# Altium PCB Fri3D_2018_01.PcbDoc (part 1 of 3) (continued)
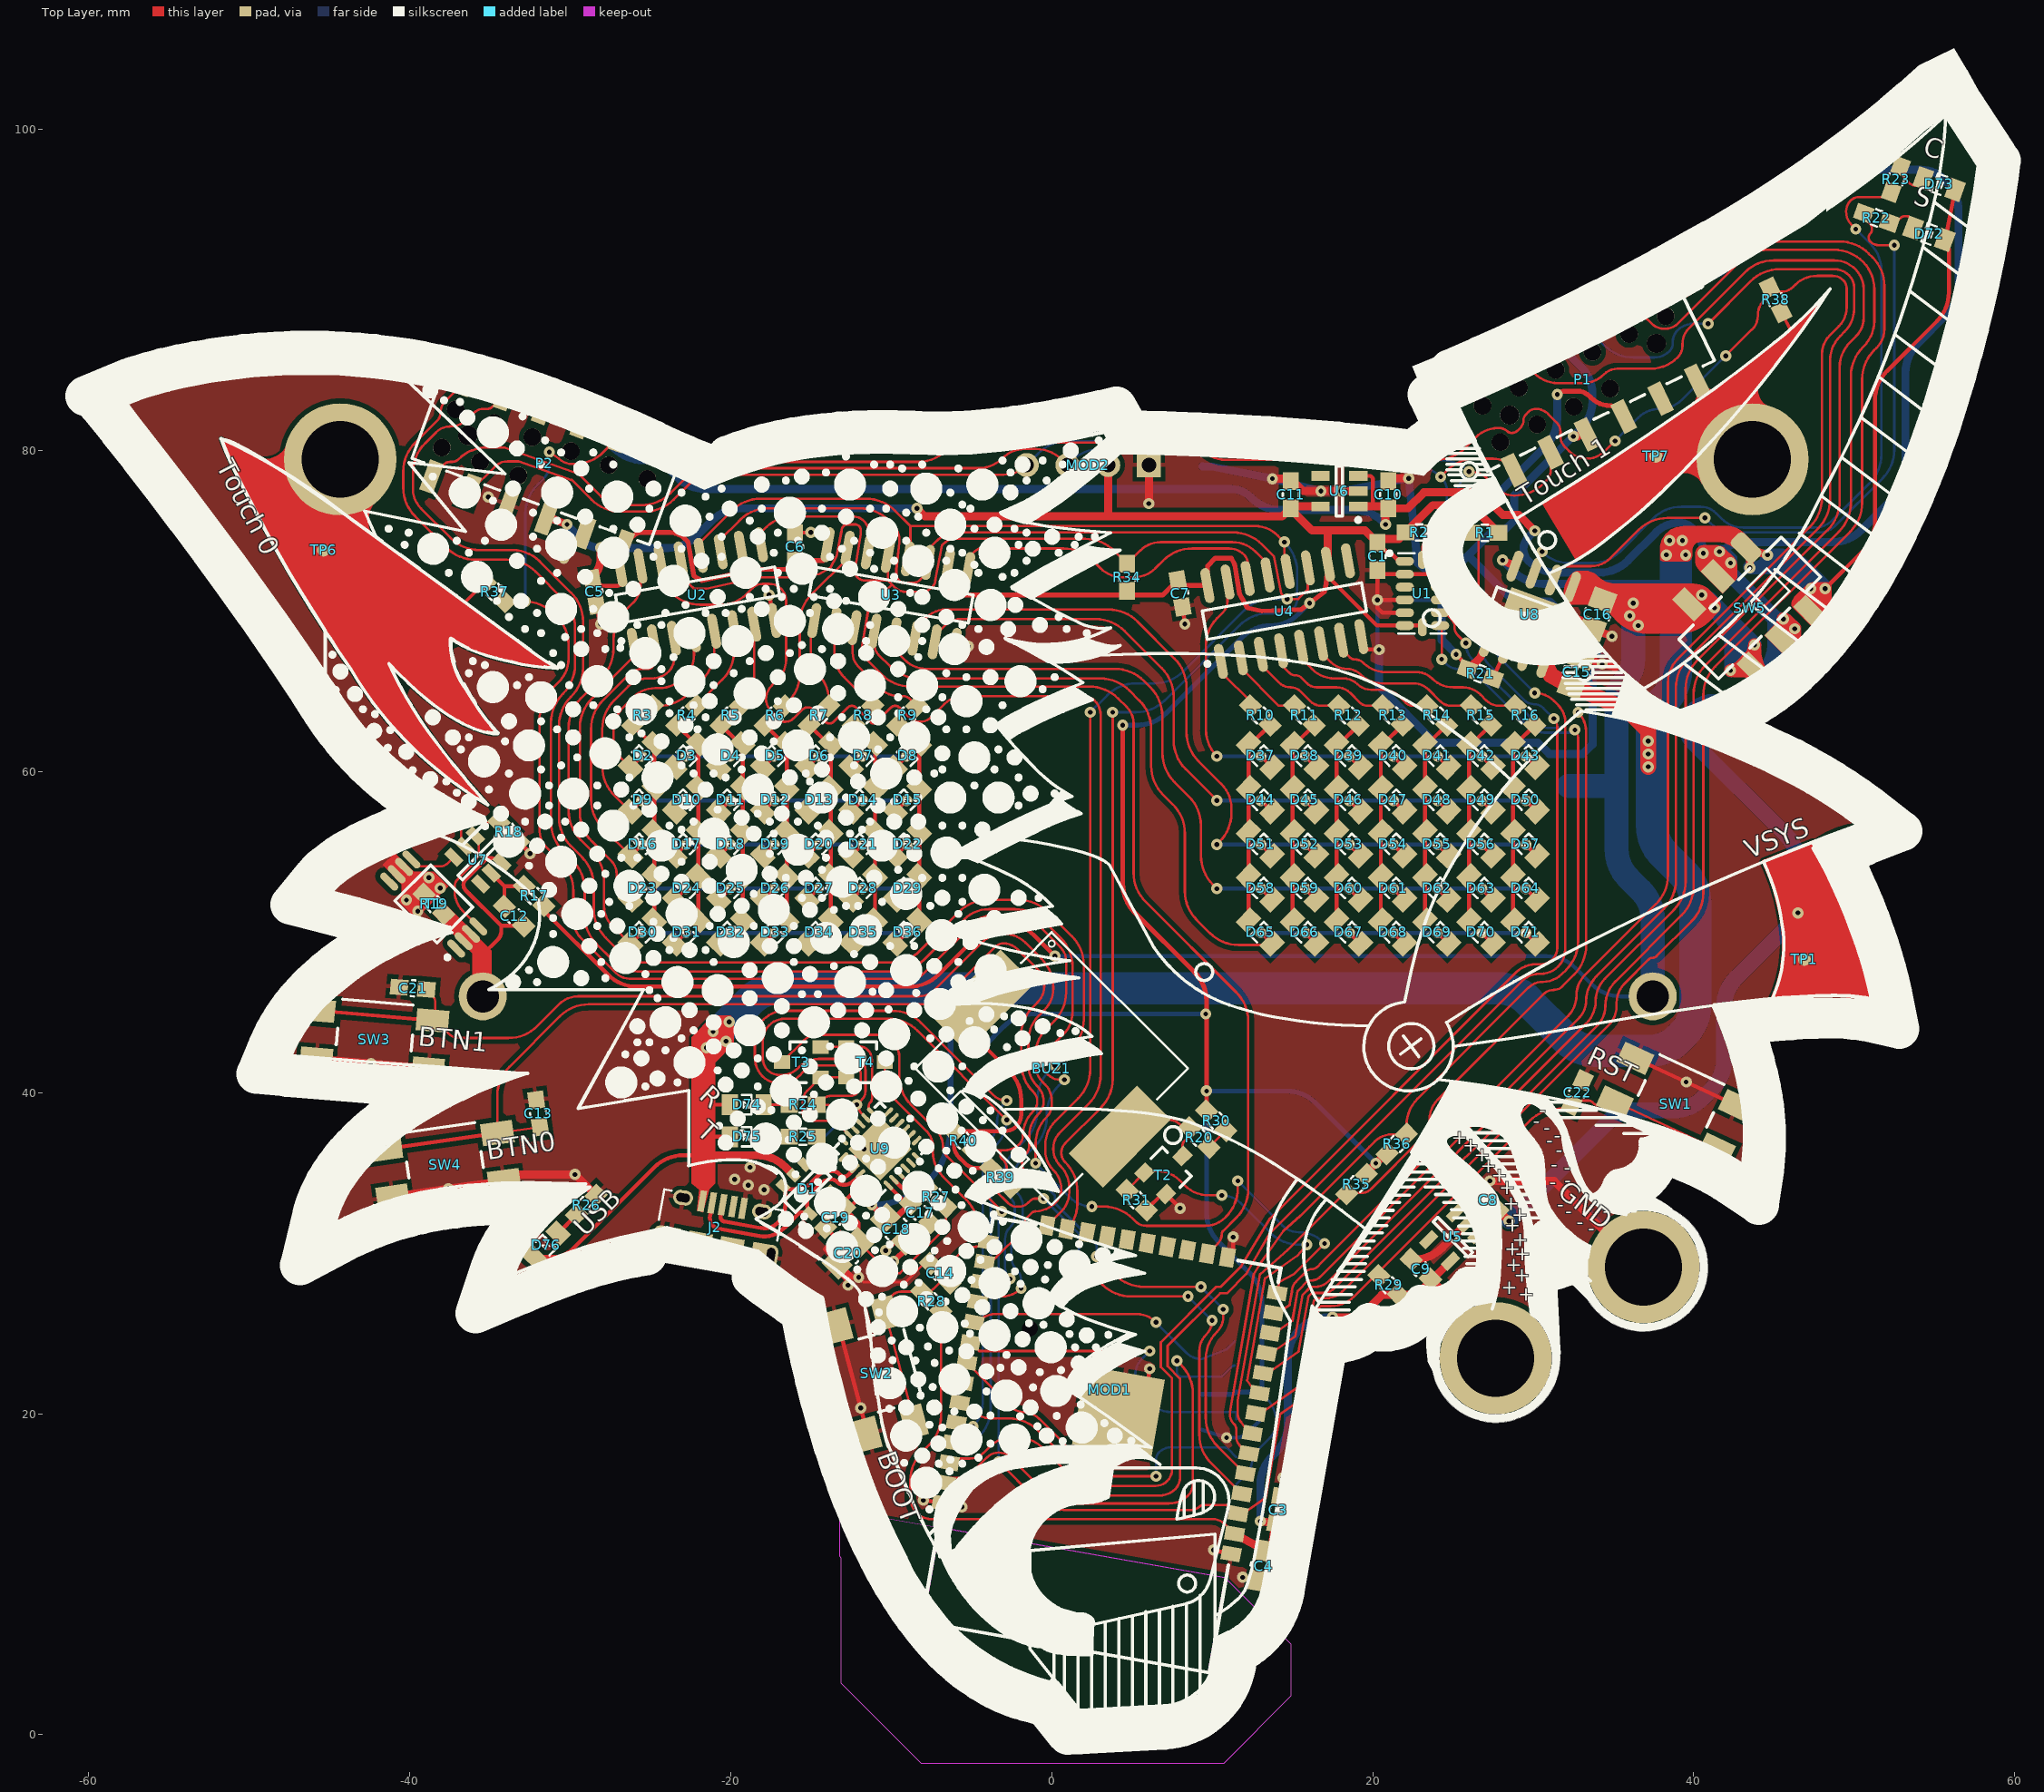
[diagram p0: Top Layer view]
## Components (designator, comment, footprint, x,y, rotation, side; value= is the part's Value field where it differs from the comment) (continued)
D47 "Default 0805 Blue LED" LED_0805_BL 21.25,58.25 r135 top
D48 "Default 0805 Blue LED" LED_0805_BL 24,58.25 r135 top
D49 "Default 0805 Blue LED" LED_0805_BL 26.75,58.25 r135 top
D50 "Default 0805 Blue LED" LED_0805_BL 29.5,58.25 r135 top
D51 "Default 0805 Blue LED" LED_0805_BL 13,55.5 r135 top
D52 "Default 0805 Blue LED" LED_0805_BL 15.75,55.5 r135 top
D53 "Default 0805 Blue LED" LED_0805_BL 18.5,55.5 r135 top
D54 "Default 0805 Blue LED" LED_0805_BL 21.25,55.5 r135 top
D55 "Default 0805 Blue LED" LED_0805_BL 24,55.5 r135 top
D56 "Default 0805 Blue LED" LED_0805_BL 26.75,55.5 r135 top
D57 "Default 0805 Blue LED" LED_0805_BL 29.5,55.5 r135 top
D58 "Default 0805 Blue LED" LED_0805_BL 13,52.75 r135 top
D59 "Default 0805 Blue LED" LED_0805_BL 15.75,52.75 r135 top
D60 "Default 0805 Blue LED" LED_0805_BL 18.5,52.75 r135 top
D61 "Default 0805 Blue LED" LED_0805_BL 21.25,52.75 r135 top
D62 "Default 0805 Blue LED" LED_0805_BL 24,52.75 r135 top
D63 "Default 0805 Blue LED" LED_0805_BL 26.75,52.75 r135 top
D64 "Default 0805 Blue LED" LED_0805_BL 29.5,52.75 r135 top
D65 "Default 0805 Blue LED" LED_0805_BL 13,50 r135 top
D66 "Default 0805 Blue LED" LED_0805_BL 15.75,50 r135 top
D67 "Default 0805 Blue LED" LED_0805_BL 18.5,50 r135 top
D68 "Default 0805 Blue LED" LED_0805_BL 21.25,50 r135 top
D69 "Default 0805 Blue LED" LED_0805_BL 24,50 r135 top
D70 "Default 0805 Blue LED" LED_0805_BL 26.75,50 r135 top
D71 "Default 0805 Blue LED" LED_0805_BL 29.5,50 r135 top
D72 "Default 0805 Green LED" LED_0805_GR 54.664,93.498 r160 top
D73 "Default 0805 Red LED" LED_0805_RD 55.3,96.6 r160 top
D74 "Default 0805 Red LED" LED_0805_RD -19,39.25 r0 top
D75 "Default 0805 Green LED" LED_0805_GR -19,37.25 r0 top
D76 "Default 0805 Blue LED" LED_0805_BL -31.5,30.5 r45 top
J1 "Micro SD PiPo Push-Push" TFP09-2-12B 4,22.2 r90 bottom value=TFP09-2-12B
J2 "Amphenol FCI 10118194-0001LF Micro USB 1.8A TH Lock" FCI_10118194-0001LF -20.504,33.02 r350 top value=10118194-0001LF
MOD1 "ESP-32 based ESP-WROOM-32" ESP-WROOM-32 3.75,21.791 r170 top locked value=ESP-WROOM-32
MOD2 "SSD1306 based 128x64 OLED, I2C, module" OLED_MOD_0.96_I2C 2.25,79.1 r180 top value="128x64 I2C OLED"
P1 "Receptacle 6x2 SMD low profile" WE_610312243021_POST 33.108,84.442 r26 top locked value=610312243021
P2 "Receptacle 6x2 SMD low profile" WE_610312243021_POST -31.598,79.21 r340 top locked value=610312243021
P4 "Header 2.0mm Shrouded 2" WE_620102131822 32.2,59.1 r90 bottom value=620102131822
R1 "RESISTOR" R0603_N 27,74.875 r180 top value=1K2
R2 "RESISTOR" R0603_N 22.9,74.9 r0 top value=1K2
R3 "RESISTOR" R0603_N -25.5,63.5 r45 top value=100R
R4 "RESISTOR" R0603_N -22.75,63.5 r45 top value=100R
R5 "RESISTOR" R0603_N -20,63.5 r45 top value=100R
R6 "RESISTOR" R0603_N -17.25,63.5 r45 top value=100R
R7 "RESISTOR" R0603_N -14.5,63.5 r45 top value=100R
R8 "RESISTOR" R0603_N -11.75,63.5 r45 top value=100R
R9 "RESISTOR" R0603_N -9,63.5 r45 top value=100R
R10 "RESISTOR" R0603_N 13,63.5 r135 top value=100R
R11 "RESISTOR" R0603_N 15.75,63.5 r135 top value=100R
R12 "RESISTOR" R0603_N 18.5,63.5 r135 top value=100R
R13 "RESISTOR" R0603_N 21.25,63.5 r135 top value=100R
R14 "RESISTOR" R0603_N 24,63.5 r135 top value=100R
R15 "RESISTOR" R0603_N 26.75,63.5 r135 top value=100R
R16 "RESISTOR" R0603_N 29.5,63.5 r135 top value=100R
R17 "RESISTOR" R0603_N -32.25,52.25 r135 top value=100R
R18 "RESISTOR" R0603_N -33.826,56.25 r315 top value=1K2
R19 "" R0603_N -38.5,51.75 r135 top value=0R
R20 "RESISTOR" R0603_N 9.2,37.2 r315 top value=100R
R21 "RESISTOR" R0603_N 26.7,66.1 r160 top value=1K2
R22 "RESISTOR" R0603_N 51.4,94.5 r160 top value=1K2
R23 "RESISTOR" R0603_N 52.6,96.9 r250 top value=1K2
R24 "RESISTOR" R0603_N -15.5,39.25 r0 top value=1K2
R25 "RESISTOR" R0603_N -15.5,37.25 r0 top value=1K2
R26 "RESISTOR" R0603_N -29,33 r45 top value=1K2
R27 "RESISTOR" R0603_N -7.194,33.5 r135 top value=1K2
R28 "RESISTOR" R0603_N -7.5,27 r135 top value=10K
R29 "RESISTOR" R0603_N 21,28 r135 top value=10K
R30 "RESISTOR" R0603_N 10.25,38.25 r315 top value=100R
R31 "RESISTOR" R0603_N 5.3,33.3 r315 top value=10K
R32 "RESISTOR" R0603_N 12.25,24.5 r180 bottom value=10K
R34 "RESISTOR" R0603_N 4.7,72.1 r90 top value=10K
R35 "RESISTOR" R0603_N 19,34.3 r225 top value=10K
R36 "RESISTOR" R0603_N 21.5,36.8 r45 top value=10K
R37 "RESISTOR" R0603_N -34.7,71.2 r135 top value=100R
R38 "RESISTOR" R0603_N 45.1,89.4 r296 top value=100R
R39 "RESISTOR" R0603_N -3.2,34.7 r315 top value=10K
R40 "RESISTOR" R0603_N -5.5,37.013 r315 top value=10K
R41 "RESISTOR" R0603_N 11.5,20.5 r270 bottom value=10K
R42 "RESISTOR" R0603_N 11.5,16.45 r90 bottom value=10K
R43 "RESISTOR" R0603_N 12.25,23 r180 bottom value=10K
SW1 "4.5x4.5mm tact SMD H3,8mm" WE_430181038816#1 38.9,39.3 r155 top value=430181038816
SW2 "4.5x4.5mm tact SMD H3,8mm" WE_430181038816#1 -10.922,22.5 r285 top value=430181038816
SW3 "4.5x4.5mm tact SMD H3,8mm" WE_430181038816#2 -42.2,43.3 r355 top value=430181038816
SW4 "4.5x4.5mm tact SMD H3,8mm" WE_430181038816#1 -37.8,35.5 r8 top value=430181038816
SW5 "Mini slide switch 2P2T" MSS22D18 43.5,70.184 r225 top value=MSS22D18
T1 "Dual N-Ch MOSFET Common Drain" TSSOP_8_65P -38.5,51.75 r135 top value=FS8205A
T2 "0.2A N-Ch MOSFET Vgs 3.2" SOT23-3 7.3,35.2 r315 top value=BSS138
T3 "0.2A N-Ch MOSFET Vgs 3.2" SOT23-3 -15.6,41.9 r90 top value=BSS138
T4 "0.2A N-Ch MOSFET Vgs 3.2" SOT23-3 -11.6,41.9 r270 top value=BSS138
TP1 "TEST_PAD" TP_0.8mm 46.9,48.3 r90 top value="NO BOM"
TP6 "TEST_PAD" TP_0.8mm -45.375,73.8 r90 top value="NO BOM"
TP7 "TEST_PAD" TP_0.8mm 37.65,79.65 r90 top value="NO BOM"
U1 "3-Axis, ±2 g/±4 g/±8 g/±16 g Digital Accelerometer" AD_CC-14-1 23.1,71.1 r0 top value=ADXL345BCCZ
U2 "8-Bit Shift Registers With 3-State Output Registers" SOIC_N_16 -22.078,71 r100 top value=74HC595
U3 "8-Bit Shift Registers With 3-State Output Registers" SOIC_N_16 -10,71 r80 top value=74HC595
U4 "8-Bit Shift Registers With 3-State Output Registers" SOIC_N_16 14.5,70 r100 top value=74HC595
U5 "3V3 LDO 700mA 50mV" SOT23-5 25,31 r225 top value=XC6210B332MR
U6 "3V3 LDO 700mA 50mV" SOT23-5 17.925,77.475 r180 top value=XC6210B332MR
U7 "DW01-P single cell lithium protection" SOT23-6 -35.75,54.5 r315 top value=DW01-P
U8 "Single Cell LiIon charger max 1A" SOIC_N_8_TH 29.8,69.8 r70 top value=TP4056
U9 "USB to UART 3.3-5V" QFN_24 -10.694,36.5 r45 top value=CP2102N-A01-GQFN24

## Footprints (in the part's own frame and the unit in brackets; to place one, negate y for a bottom-side part, rotate by r counter-clockwise, add the part's x,y. Pads: shape width x height; smd on the part's side, far side on the other; paste and mask are expansions set on the pad)
AD_CC-14-1 [mm] "LGA 14"
  oval 1.145x0.55 smd: 1(-1.098,2) 2(-1.098,1.2) 3(-1.098,0.4) 4(-1.098,-0.4) 5(-1.098,-1.2) 6(-1.098,-2) 8(1.097,-2) 9(1.097,-1.2) 10(1.097,-0.4) 11(1.097,0.4) 12(1.097,1.2) 13(1.097,2)
  oval 0.55x1.145 smd: 7(0,-2.097) 14(0,2.098)
  silkscreen extent -2.18,-2.5 1.5,2.62, body extent -1.5,-2.5 1.5,2.5, height 1
C0603_N [mm] "Low density"
  rect 1.1x1 smd: 1(-0.85,0) 2(0.85,0)
  silkscreen extent -0.1,-0.5 0.1,0.5, body extent -0.8,-0.4 0.8,0.4, height 0.3
C0805_N [mm] "Low density"
  rect 1.3x1.5 smd: 1(-0.95,0) 2(0.95,0)
  silkscreen extent -0.1,-0.8 0.1,0.8, body extent -1,-0.62 1,0.63, height 0.78
CUI_CMT-1203-SMT [mm] "12x12x3mm piezo buzzer"
  rect 3x6 smd: 1(-6,0) 2(6,0)
  silkscreen extent -6,-6 6,6, body extent -6,-6 6,6, height 3.05
ESP-WROOM-32 [mm] "ESP-WROOM-32 Module"
  rect 1.2x0.9 smd: 1(-9.144,9.08) 2(-9.144,7.81) 3(-9.144,6.541) 4(-9.144,5.271) 5(-9.144,4.001) 6(-9.144,2.731) 7(-9.144,1.46) 8(-9.144,0.19) 9(-9.144,-1.079) 10(-9.144,-2.35) 11(-9.144,-3.62) 12(-9.144,-4.889) 13(-9.144,-6.16) 14(-9.144,-7.429) 25(9.144,-7.429) 26(9.144,-6.159) 27(9.144,-4.89) 28(9.144,-3.62) 29(9.144,-2.35) 30(9.144,-1.08) 31(9.144,0.19) 32(9.144,1.46) 33(9.144,2.73) 34(9.144,4) 35(9.144,5.271) 36(9.144,6.54) 37(9.144,7.81) 38(9.144,9.081)
  rect 0.9x1.2 smd: 15(-5.715,-9.08) 16(-4.447,-9.081) 17(-3.177,-9.081) 18(-1.907,-9.08) 19(-0.637,-9.08) 20(0.633,-9.081) 21(1.903,-9.081) 22(3.173,-9.08) 23(4.443,-9.081) 24(5.713,-9.081)
  rect 5x5 smd paste-10: 39(-0.7,1.6)
  Keep-Out Layer region: -9.017,10.605 9.017,10.605 9.017,16.574 -9.017,16.574
  silkscreen extent -9.1,-9 9.1,16.6, body extent -9.02,-8.95 9.02,16.57, height 2
FCI_10118194-0001LF [mm]
  rect 0.4x1.35 smd: 1(-1.3,0) 2(-0.65,0) 3(0,0) 4(0.65,0) 5(1.3,0)
  oval 0.9x1.55 hole 0.5 slot 1.15 at 90 deg: MH1(-3.5,-2.7) MH2(3.5,-2.7)
  rect 1.2x1.55 smd: MH1(-2.9,-2.7) MH2(2.9,-2.7)
  oval 1.25x0.95 hole 0.55 slot 0.85 at 0 deg: MH3(-2.5,0) MH4(2.5,0)
  rect 1.5x1.55 smd: MH3(-1,-2.7) MH4(1,-2.7)
  silkscreen extent -3.75,-4.15 3.75,0.3, body extent -4.02,-5.4 4.02,0.18, height 2.77
LED_0805_BL [mm] "0805 LED BLUE"
  rect 1x1.3 smd: 1(-1.05,0) 2(1.05,0)
  silkscreen extent -0.3,-0.6 0.3,0.6, body extent -1.01,-0.62 1.01,0.62, height 1.1
LED_0805_GR [mm] "0805 LED GREEN"
  rect 1x1.3 smd: 1(-1.05,0) 2(1.05,0)
  silkscreen extent -0.3,-0.6 0.3,0.6, body extent -1.01,-0.62 1.01,0.63, height 1.1
LED_0805_RD [mm] "0805 LED RED"
  rect 1x1.3 smd: 1(-1.05,0) 2(1.05,0)
  silkscreen extent -0.3,-0.6 0.3,0.6, body extent -1.01,-0.62 1.01,0.62, height 1.1
MPD_BH-18650-PC [mm] "Battery holder for a single 18650 cell"
  round 3 hole 2: 1(36.45,0) 2(-36.45,0)
  silkscreen extent -38.85,-10.45 38.85,10.45, body extent -39.01,-10.4 38.64,10.4, height 23.37
MSS22D18 [mm] "SWITCH, DPDT, 0.1A, 12VDC, SMD"
  rrect50% 1.1x1.95 smd: 1(-2.5,-2.825)
  rect 1.1x1.95 smd: 2(-2.5,2.825) 3(0,-2.825) 4(0,2.825) 5(2.5,-2.825) 6(2.5,2.825)
  silkscreen extent -4.5,-1.75 4.5,1.75, body extent -4.52,-3.25 4.52,3.65, height 5.45
NXP_SOT457 [mm] "NXP SOT457 SOT23-6 package"
  rect 0.8x0.55 smd: 1(-1.2,0.95) 2(-1.2,0) 3(-1.2,-0.95) 4(1.2,-0.95) 5(1.2,0) 6(1.2,0.95)
  silkscreen extent -1.5,-1.55 0.5,1.92, body extent -1.18,-1.46 1.2,1.46, height 0.93
OLED_MOD_0.96_I2C [mm] "=Description"
  rect 1.5x1.5 hole 0.9: 1(-3.81,0)
  round 1.5 hole 0.9: 2(-1.27,0) 3(1.27,0) 4(3.81,0)
  body extent -13.65,-26.53 13.65,1.27, height 7
QFN_24 [mm] "24 pin QFN 4x4mm body"
  oval 0.75x0.25 smd: 1(-1.975,1.25) 2(-1.975,0.75) 3(-1.975,0.25) 4(-1.975,-0.25) 5(-1.975,-0.75) 6(-1.975,-1.25) 13(1.975,-1.25) 14(1.975,-0.75) 15(1.975,-0.25) 16(1.975,0.25) 17(1.975,0.75) 18(1.975,1.25)
  oval 0.25x0.75 smd: 7(-1.25,-1.975) 8(-0.75,-1.975) 9(-0.25,-1.975) 10(0.25,-1.975) 11(0.75,-1.975) 12(1.25,-1.975) 19(1.25,1.975) 20(0.75,1.975) 21(0.25,1.975) 22(-0.25,1.975) 23(-0.75,1.975) 24(-1.25,1.975)
  rect 2.8x2.8 smd paste-10: 25(0,0)
  silkscreen extent -3.02,-2.05 2.05,2.05, body extent -2,-2 2,2, height 0.95
R0603_N [mm] "Low density"
  rect 1.1x1 smd: 1(-0.85,0) 2(0.85,0)
  silkscreen extent -0.2,-0.5 0.2,0.5, body extent -0.8,-0.41 0.8,0.41, height 0.45
SOIC_N_8_TH [mm] "150 mil body width with Exposed Thermal Pad"
  oval 2x0.6 smd: 1(-2.5,1.905) 2(-2.5,0.635) 3(-2.5,-0.635) 4(-2.5,-1.905) 5(2.5,-1.905) 6(2.5,-0.635) 7(2.5,0.635) 8(2.5,1.905)
  rect 2.41x3.3 smd: 9(0,0)
  silkscreen extent -2.52,-2.5 0.9,2.88, body extent -3,-2.45 3,2.45, height 1.75
SOIC_N_16 [mm] "150 mil body width"
  oval 2.2x0.6 smd: 1(-2.4,4.445) 2(-2.4,3.175) 3(-2.4,1.905) 4(-2.4,0.635) 5(-2.4,-0.635) 6(-2.4,-1.905) 7(-2.4,-3.175) 8(-2.4,-4.445) 9(2.4,-4.445) 10(2.4,-3.175) 11(2.4,-1.905) 12(2.4,-0.635) 13(2.4,0.635) 14(2.4,1.905) 15(2.4,3.175) 16(2.4,4.445)
  silkscreen extent -2.52,-5.04 0.9,5.42, body extent -3,-5 3,5, height 1.75
SOT23-3 [mm] "SOT-23; 3 Leads; Body 3.1 x 2.5 mm, inc. leads (LxW max)"
  rect 0.85x1 smd: 1(-0.95,-1.2) 2(0.95,-1.2) 3(0,1.2)
  silkscreen extent -1.27,-0.3 1.28,0.7, body extent -1.5,-1.32 1.5,1.32, height 1.08
SOT23-5 [mm] "SOT23, 5-Leads, Body 3,1x3,2mm (max), Pitch 0,95mm, IPC Medium Density"
  rect 1.15x0.6 smd: 1(-1.175,0.95) 2(-1.175,0) 3(-1.175,-0.95) 4(1.175,-0.95) 5(1.175,0.95)
  silkscreen extent -1.3,-1.55 0.2,1.92, body extent -1.4,-1.45 1.4,1.45, height 1.45
SOT23-6 [mm] "SOT23, 6-Leads, Body 3,1x3,2mm (max), Pitch 0,95mm, IPC Medium Density"
  rect 1.15x0.6 smd: 1(-1.175,0.95) 2(-1.175,0) 3(-1.175,-0.95) 4(1.175,-0.95) 5(1.175,0) 6(1.175,0.95)
  silkscreen extent -1.3,-1.55 0.2,1.92, body extent -1.5,-1.55 1.5,1.55, height 1.4
TFP09-2-12B [mm] "tfp09-2-12b"
  round 0 hole 1 unplated: 0(-4.88,-5.35) 0(3.1,-5.35)
  rect 0.7x2 smd: 1(2.3,5.35) 2(1.2,5.35) 3(0.1,5.35) 4(-1,5.35) 5(-2.1,5.35) 6(-3.2,5.35) 7(-4.3,5.35) 8(-5.4,5.35) 9(-6.5,5.35)
  rect 1.4x1.6 smd: G1(-7.9,4.65)
  rect 1.4x2.4 smd: G2(-7.8,-4.95) G3(7.9,-4.95)
  rect 1.6x1.4 smd: G4(7,4.65)
  silkscreen extent -7.3,-9.35 7.4,5.15, body extent -7.93,-14.65 8.07,5.9, height 1.95
TP_0.8mm [mm] "0.8mm pad"
  round 0.8 smd paste-10 mask+0.05: 1(0,0)
TSSOP_8_65P [mm] "TSOP, 8-Leads, Body 3,00x4,40mm, Pitch 0,65mm,  IPC Medium Density"
  oval 1.4x0.45 smd: 1(-2.95,0.975) 2(-2.95,0.325) 3(-2.95,-0.325) 4(-2.95,-0.975) 5(2.95,-0.975) 6(2.95,-0.325) 7(2.95,0.325) 8(2.95,0.975)
  silkscreen extent -3.07,-1.57 1.85,1.87, body extent -3.2,-1.5 3.2,1.5, height 1.2
WE_430181038816#1 [mm] "Miniature SMD TACT SW"
  rect 2x1.4 smd: 1(-3.5,1.5) 1(3.5,1.5) 2(-3.5,-1.5) 2(3.5,-1.5)
  silkscreen extent -2.35,-2.35 2.35,2.35, body extent -3.75,-2.25 3.75,2.25, height 3.8
WE_430181038816#2 [mm] "Miniature SMD TACT SW"
  rect 1.8x1.4 smd: 1(-3.5,1.5)
  rect 2x1.4 smd: 1(3.5,1.5) 2(-3.5,-1.5) 2(3.5,-1.5)
  silkscreen extent -2.35,-2.35 2.35,2.35, body extent -3.75,-2.25 3.75,2.25, height 3.8
WE_610312243021_POST [mm] "Connector; Receptable; 6x2 Position SMD Low Profile"
  rect 0.9x2 smd: 1(-6.35,-3.2) 2(-6.35,3.2) 3(-3.81,-3.2) 4(-3.81,3.2) 5(-1.27,-3.2) 6(-1.27,3.2) 7(1.27,-3.2) 8(1.27,3.2) 9(3.81,-3.2) 10(3.81,3.2) 12(6.35,3.2)
  rect 0.9x2 smd paste-10: 11(6.35,-3.2)
  round 1.1 hole 1.1 unplated: ""(-6.35,-1.27) ""(-6.35,1.27) ""(-3.81,1.27) ""(-3.81,-1.27) ""(-1.27,1.27) ""(-1.27,-1.27) ""(1.27,1.27) ""(1.27,-1.27) ""(3.81,1.27) ""(3.81,1.27) ""(6.35,1.27) ""(6.35,1.27)
  round 1.2 hole 1.2 unplated: ""(-5.08,0) ""(5.08,0)
  silkscreen extent -7.87,-2.54 7.87,2.54, body extent -7.62,-3.6 7.62,3.6, height 3.7
WE_620102131822 [mm]
  rect 1.5x3.4 smd: 1(0,0) 2(2,0)
  rect 1.4x3.1 smd: M1(-2.3,-5.65) M2(4.3,-5.65)
  silkscreen extent -3,-7.23 5,0.37, body extent -3,-7.23 5,1.37, height 5.65

## Part data
BAT1: library part "18650 Battery holder BH-18650-PC", "=Description", Supplier 1=Digikey
BUZ1: library part "BUZ # CUI CMT-1203-SMT", "Crystal Oscillator", Supplier Part Number 1=102-2197-1-ND, Supplier 1=Digikey, Supplier 2=Aliexpress, Supplier Part Number 2=KLJ-1230
C1 C2 C3 C5 C6 C7 C12 C13 C14 C17 C19 C21 C22: library part "CAP # 100nF 16V 0603", "Capacitor Ceramic"
C4 C15 C16 C18 C20: library part "CAP # 10uF 10V 0805", "Capacitor Ceramic", Supplier Part Number 1=2320859, Supplier 1=Farnell
C8 C9 C10 C11: library part "CAP # 1uF 16V 0603", "Capacitor Ceramic", Supplier Part Number 1=2320814, Supplier 1=Farnell
D1: library part "TVS # IP4220CZ6 Dual USB", "=Description", Supplier Part Number 1=2143248, Supplier 1=Farnell
D2 D3 D4 D5 D6 D7 D8 D9 D10 D11 D12 D13 D14 D15 D16 D17 D18 D19 D20 D21 D22 D23 D24 D25 D26 D27 D28 D29 D30 D31 D32 D33 D34 D35 D36 D37 D38 D39 D40 D41 D42 D43 D44 D45 D46 D47 D48 D49 D50 D51 D52 D53 D54 D55 D56 D57 D58 D59 D60 D61 D62 D63 D64 D65 D66 D67 D68 D69 D70 D71 D76: library part "LED # Blue 0805", "=Description", Supplier Part Number 1=2217980, Supplier 1=Farnell
D72 D75: library part "LED # Green 0805", "=Description", Supplier Part Number 1=2099239, Supplier 1=Farnell
D73 D74: library part "LED # Red 0805", "=Description", Supplier Part Number 1=2099236, Supplier 1=Farnell
J1: library part "MicroSD TFP09-2-12B Push-Push", "=Description", Supplier Part Number 1=TFP09-2-12B, Supplier 1=AliExpress
J2: library part "USB # Micro B TH Amphenol 10118194-0001LF", Supplier Part Number 1=2668482, Supplier 1=Farnell, Supplier 2=Digi-key, Supplier Part Number 2=609-4618-2-ND
MOD1: library part "WiFi # MOD ESP-WROOM-32", "WiFi # MOD ESP-WROOM-32", Supplier Part Number 1=ESP-WROOM-32, Supplier 1=Espressif
MOD2: library part "OLED MOD SSD1306 0.96in I2C 128x64", Supplier 1=Aliexpress
P1 P2: library part "Receptacle # 2.54mm dual row 12way 610312243021", Supplier Part Number 1=610312243021, Supplier 1=Wurth
P4: library part "HDR # SHR 2.0mm 2way - 620102131822", Supplier 1=Wurth
R1 R2 R18 R21 R22 R23 R24 R25 R26 R27: library part "RES # 1K2 0603"
R3 R4 R5 R6 R7 R8 R9 R10 R11 R12 R13 R14 R15 R16 R17 R20 R30 R37 R38: library part "RES # 100R 0603"
R19: library part "RES # 0R 0603", Supplier Part Number 1=2447743, Supplier 1=Farnell
R28 R29 R31 R32 R34 R35 R36 R39 R40 R41 R42 R43: library part "RES # 10K 0603", Supplier Part Number 1=2502397, Supplier 1=Farnell
SW1 SW2 SW3 SW4: library part "SW # TACT small 4.5x4.5mm SMD WS-TASV", Supplier Part Number 1=430181038816, Supplier 1=Wurth
SW5: library part "SW # 2P2T mini slide MSS22D18", Supplier Part Number 1=MSS22D18, Supplier 1=AliExpress
T1: library part "FS8205A Dual N-Ch common Drain for DW01-P", "=Description", Supplier Part Number 1=FS8205A, Supplier 1=AliExpress
T2 T3 T4: library part "BSS138 N-Ch MOSFET 0.2A 3.2Vgs 60Vds", Supplier Part Number 1=2432717, Supplier 1=Farnell
TP1 TP6 TP7: library part "TP # 0.8mm"
U1: library part "ACCELERO # ADXL345", "=Description", Supplier Part Number 1=1853935, Supplier 1=Farnell, Supplier 2=Digikey, Supplier Part Number 2=ADXL345BCCZ-ND
U2 U3 U4: library part "IOEXP # SHIFT 74HC595 8-bit", "=Description", Supplier Part Number 1=1278491, Supplier 1=Farnell
U5 U6: library part "LDO # 3V3 XC6210B33", "=Designator", Supplier Part Number 1=1057803, Supplier 1=Farnell
U7: library part "PWR # DW01-P Lithium protection", "=Description", Supplier Part Number 1=DW01-P, Supplier 1=Aliexpress
U8: library part "CHG # TP4056 LiIon 1A", "=Description", Supplier Part Number 1=TP4056, Supplier 1=Aliexpress
U9: library part "CP2102N # QFN24 USB UART", "=Description", Supplier Part Number 1=2577278, Supplier 1=Farnell, Supplier 2=Digikey, Supplier Part Number 2=336-3693-ND

## Free pads (board coordinates)
  round 7 hole 4.8: 0(-44.333,79.456) 0(27.667,23.456) 0(36.873,29.136) 0(43.667,79.456)

## Via types
v1: diameter 0.7, hole 0.3, Top Layer to Bottom Layer, tented top, 233 vias

## Nets (pads, with @x,y where several pads share a name; then routed paths per layer and width w, separated by ;. In a path a pad name is that pad's centre, name@x,y a point inside that pad or via, vN(x,y) a via of type N, cw(c..) or ccw(c..) an arc to the next point about the centre after c; other vN are vias at no path point)
3V3_AUX: BUZ1.1 C1.1 C2.1 C5.1 C6.1 C7.1 C11.1 J1.4 MOD2.2 P1.7 P2.7 P2.11 R1.1 R2.1 R30.1 R32.1 R34.1 R35.1 R36.1 R39.1 R40.1 R41.1 R42.1 R43.1 U1.1 U1.6 U1.7 U2.10 U2.16 U3.10 U3.16 U4.10 U4.16 U6.5 | length 275.1
  Top Layer w0.25: C5.1@-28.648,72.037 -28.439,71.829 ccw(c-27.815,72.453) -27.815,71.57 -27.113,71.57 ccw(c-27.113,72.013) -26.8,71.7 cw(c-26.625,71.875) U2.16@-26.872,71.875 ; v1(-4.2,42.9) -2.644,41.344 cw(c-4.44,39.548) -1.9,39.548 -1.9,38.624 cw(c-2.924,38.624) -2.2,37.9 cw(c-2.926,38.626) -2.926,37.599 -6.1,37.599 -6.1,36.742 ccw(c-5.033,36.742) -5.787,35.987 -5.4,35.6 ccw(c-4.678,36.322) -4.678,35.301 R39.1@-3.801,35.301 ; C11.1@14.825,76.425 C11.1@14.9,76.425 ; U4.10@17.21,72.915 17.21,72.151 20.261,69.1 U1.6@22.003,69.1 23.003,69.1 U1.7@23.1,69.003 ; C1.1@20.3,74.25 20.999,73.551 21.199,73.551 21.65,73.1 U1.1@22.003,73.1
  Top Layer w0.3: P2.11@-26.725,74.031 P2.11@-26.108,74.648 ; P2.11@-26.108,74.648 cw(c-25.5,74.04) -25.5,74.9 -23.8,74.9 cw(c-23.8,73.572) -22.861,74.511 -22.65,74.3 -22.3,72.2 -21.8,71.9 -20.1,72.263 -19.045,72.5 ; U2.10@-19.23,73.23 U2.10@-19.23,73.312 ; U3.16@-13.961,74.135 -13.961,73.439 -14.25,73.15 C6.1@-16,73.15 -16.55,72.6 -18.6,72.6 -19.045,72.5 ; U3.10@-6.456,72.812 -6.456,71.356 -6.1,71 6.915,71 C7.1@7.852,71.937 8.198,71.592 U4.16@9.706,71.592 9.706,72.806 10.2,73.3 11.2,73.3 11.4,72.9 11.701,71.07 12.2,70.2 13.1,70 15.542,70.1 v1(16.072,70.5) 17,71.2 17.1,71.7 U4.10@17.21,72.915 ; BUZ1.1@-4.243,45.743 -4.8,43.5 v1(-4.2,42.9) ; 4.425,55 4.425,53.027 ; v1(4.425,62.9) 4.425,53.027 ; R30.1@9.649,38.851 v1(9.649,40.1) 9.649,45.7 ccw(c7.112,45.7) 8.907,47.493 ; v1(31.5,83.5) cw(c31.983,83.017) 31.983,83.7 32.776,83.7 cw(c32.776,82.676) 33.5,83.4 33.605,83.295 ccw(c34.8,84.49) 34.8,82.8 cw(c34.8,82.378) 35.098,82.677 P1.7@35.652,82.123 ; U2.10@-19.23,73.312 -19.23,73.777 U2.10@-19.368,73.915 U2.10@-19.23,73.312 ; U2.10@-19.23,73.312 -19.045,72.5 ; 4.425,53.027 ccw(c6.965,53.027) 5.169,51.231 ; 5.169,51.231 8.906,47.494 cw(c7.112,45.7) 8.907,47.493 ; 5.169,51.231 8.907,47.493
  Top Layer w0.5: P2.7@-31.499,75.769 -31,75.7 v1(-30.2,75.4) ; C5.1@-28.648,72.037 ccw(c-29.97,73.359) -28.1,73.359 v1(-28.1,73.935) ; v1(-8.4,76.4) -7.9,75.9 3.52,75.9 ; MOD2.2@3.52,79.1 3.52,75.9 ; C11.1@14.825,76.425 C11.1@14.85,76.4 ; C11.1@14.9,76.4 C11.1@14.85,76.4 ; C11.1@14.9,76.425 15,76.525 U6.5@16.75,76.525 ; U4.10@17.21,72.915 17.21,75.025 ; R35.1@19.601,34.901 19.601,35.001 v1(20.2,35.6) 20.799,36.199 R36.1@20.899,36.199 ; R1.1@27.85,74.875 26.625,76.1 v1(26.625,76.132) 26.625,76.175 26.2,76.6 23.75,76.6 R2.1@22.05,74.9 21.65,74.5 20.55,74.5 C1.1@20.3,74.25 19.525,75.025 17.21,75.025 ; 3.52,75.9 14.35,75.9 C11.1@14.85,76.4 ; C11.1@14.85,76.4 14.875,76.375 16.225,75.025 17.21,75.025
  Bottom Layer w0.15: R42.1@11.5,15.6 12.076,16.176 ccw(c11.051,17.2) 12.459,16.859 ccw(c11.051,17.2) 12.5,17.2 cw(c12.983,17.2) 12.641,17.541 13.61,18.51 ccw(c12.667,19.452) 14,19.452 ccw(c11.832,19.452) 13.4,20.949 ccw(c11.832,19.452) 13.365,20.985 C2.1@13,21.35
  Bottom Layer w0.3: v1(-4.2,42.9) -2.944,44.156 cw(c-1.148,42.36) -1.148,44.9 ; -0.5,44.9 -1.148,44.9 ; v1(4.425,62.9) 5.348,62.9 ccw(c5.348,65.44) 7.144,63.644 11.856,68.356 cw(c13.652,66.56) 13.652,69.1 ccw(c13.652,71.563) 15.394,69.821 ; J1.4@9.35,21.2 11.138,21.2 ccw(c11.138,21.712) R41.1@11.5,21.35 C2.1@13,21.35 ccw(c12.759,21.591) 13.1,21.591 R43.1@13.1,23 R32.1@13.1,24.5 13.1,26.948 ccw(c10.56,26.948) 12.356,28.744 10.393,30.707 ; v1(9.6,44.9) -1.148,44.9 ; 9.649,32.9 9.649,32.503 ; 10.7,30.4 10.393,30.707 ; 15.472,69.9 15.394,69.821 ; v1(16.072,70.5) 15.394,69.821 ; v1(20.2,35.6) 16.444,39.356 ccw(c14.648,37.56) 14.648,40.1 v1(9.649,40.1) 9.649,32.503 ; 9.649,32.503 ccw(c12.189,32.503) 10.393,30.707
  Bottom Layer w0.5: v1(-30.2,75.4) -29.184,74.384 ccw(c-28.1,75.467) v1(-28.1,73.935) -23.917,73.935 ccw(c-23.917,76.475) -22.121,74.679 -21.144,75.656 cw(c-19.348,73.86) -19.348,76.4 v1(-8.4,76.4) ; v1(26.625,76.132) 30.798,80.305 ; 30.793,80.3 30.798,80.305 ; v1(31.5,83.5) 31.5,82 cw(c29.103,82) 30.798,80.305
3V3_ESP: C3.1 C4.1 C9.1 MOD1.2 pad.0@27.667,23.456 R28.1 R29.1 U5.5 | length 69.4
  Top Layer w0.15: -8.401,13.801 cw(c-7.434,14.766) -8.8,14.766 -8.8,15.836 cw(c-6.26,15.836) -8.056,17.632 ; -8.4,13.8 ccw(c-7.516,14.684) -7.516,13.434 10.003,13.434 cw(c10.003,12.294) 10.81,13.1 MOD1.2@11.399,12.511 ; -7.788,17.9 -8.056,17.632 ; R28.1@-6.899,26.399 -6.899,19.841 cw(c-9.439,19.841) -7.1,18.851 cw(c-9.439,19.841) -7.643,18.045 -8.056,17.632
  Top Layer w0.5: MOD1.2@11.399,12.511 C4.1@13.365,11.436 13.584,11.496 13.729,11.751 C3.1@13.952,13.163 v1(13,13.3) ; v1(17.5,26) 19.174,26 20.573,27.399 R29.1@21.601,27.399 22.742,27.399 C9.1@23.672,28.328 ; C9.1@23.601,28.399 C9.1@23.672,28.328 ; U5.5@24.841,29.497 C9.1@23.672,28.328 ; pad.0@27.667,23.456 24.878,26.245 cw(c25.187,26.553) 24.75,26.553 ccw(c23.068,26.553) 24.257,27.743 C9.1@23.672,28.328
  Bottom Layer w0.5: v1(13,13.3) 13,15.548 cw(c15.54,15.548) 13.744,17.344 13.978,17.578 ccw(c12.182,19.374) 14.722,19.374 14.722,23.46 cw(c17.262,23.46) 17.262,26 v1(17.5,26) v1@17.5,25.89
3V3_USB: C19.1 C20.2 R27.1 U9.5 U9.6 | length 16.4
  Top Layer w0.15: C19.1@-12.843,32.601 C19.1@-12.826,32.601 ; C20.2@-12.023,30.672 -10.101,28.75 -9.444,28.75 -6.594,31.601 R27.1@-6.594,32.899
  Top Layer w0.25: C19.1@-12.843,32.601 -13.093,32.601 -13.093,33.04 U9.5@-11.561,34.573 ; C19.1@-12.826,32.601 U9.6@-11.207,34.22
  Top Layer w0.4: C19.1@-13.093,32.601 -12.834,32.601 -12.1,31.867 -12.1,31.156 -12.023,31.078 C20.2@-12.023,30.672
ACC.INT1: MOD1.6 R36.2 U1.8 | length 67.4
  Top Layer w0.15: MOD1.6@12.281,17.514 12.047,17.555 11.677,18.084 cw(c12.103,18.51) 11.556,18.255 cw(c12.103,18.51) 11.5,18.51 11.5,19.017 ccw(c11.017,19.017) 11.359,19.359 cw(c11.977,19.977) 11.102,19.977 11.102,20.118 12.594,28.682 13.058,29.445 14.425,31.375 15.512,32.337 19.8,36.625 20.135,36.96 ; 20.136,36.961 cw(c21.2,35.895) 21.2,37.401 R36.2@22.101,37.401 22.101,37.938 cw(c24.487,37.938) 22.8,39.625 29.704,46.529 ; U1.8@24.198,69.1 24.3,68.998 v1(24.3,67) ; 29.704,46.529 cw(c30.6,45.633) 30.6,46.9 ccw(c30.6,48.59) 31.794,47.394 ; 31.795,47.395 32.056,47.656 ccw(c30.26,49.452) 32.058,47.658 ccw(c30.26,49.452) 32.8,49.452 32.8,62.117 ccw(c32.117,62.117) v1(32.6,62.6)
  Bottom Layer w0.15: v1(24.3,67) 24.617,66.683 ccw(c25.3,67.366) 25.3,66.4 cw(c25.3,64.425) 26.697,65.821 29.664,62.854 ccw(c30.7,63.89) 30.7,62.425 32.425,62.425 v1(32.6,62.6)
ACC.INT2: MOD1.7 R35.2 U1.9 | length 67.4
  Top Layer w0.15: MOD1.7@12.501,18.765 12.267,18.806 11.8,19.473 cw(c12.283,19.956) 11.664,19.667 cw(c12.283,19.956) 11.6,19.956 11.6,20.831 12.984,28.681 14.704,30.204 18.149,33.649 18.424,33.649 18.527,33.751 19.3,33.751 ccw(c19.3,34.6) 19.899,33.999 ccw(c19.3,34.6) 19.9,34 23.055,37.155 ; 23.056,37.156 ccw(c21.86,38.35) 23.55,38.35 cw(c25.24,38.35) 24.045,39.545 30.617,46.117 cw(c31.3,45.434) 31.3,46.4 ccw(c31.3,47.124) 31.812,46.612 32.556,47.356 ccw(c30.76,49.152) 33.3,49.152 33.3,62.493 ccw(c31.593,62.493) v1(32.8,63.7) ; U1.9@24.198,69.9 24.5,69.9 24.888,69.512 ; 24.888,69.512 cw(c24.376,69) 25.1,69 ccw(c25.824,69) 25.312,68.488 v1(25.8,68)
  Bottom Layer w0.15: v1(25.8,68) ccw(c27.249,68) 26.224,66.976 ; 26.224,66.976 30.104,63.096 ccw(c31,63.992) 30.75,62.75 ccw(c31,63.992) 31,62.725 31.436,62.725 ccw(c31.436,63.664) 32.1,63 v1(32.8,63.7)
BTN.0: C13.1 MOD1.4 R40.2 SW4.1 | length 98.5
  Top Layer w0.15: C13.1@-31.882,37.858 SW4.1@-34.543,37.473 -34.543,39.805 cw(c-32.003,39.805) -33.799,41.601 -30.644,44.756 cw(c-28.848,42.96) -28.848,45.5 -7.949,45.5 ccw(c-7.949,47.549) -6.5,46.1 -3.512,49.088 ; R40.2@-4.899,36.412 -3.2,36.412 ; -3.512,49.088 cw(c-3,48.576) -3,49.3 cw(c-3,48.093) -2.147,48.947 ; -2.712,33.112 -3.518,33.918 cw(c-3.338,34.099) -3.593,34.099 cw(c-3.092,34.099) -3.446,34.454 -2.942,34.958 ccw(c-3.285,35.301) -2.8,35.301 ccw(c-3.489,35.301) -3.002,35.788 -3.1,35.886 cw(c-2.859,36.128) -3.2,36.128 -3.2,36.412 ; -2.712,33.112 ccw(c-2.2,33.624) -2.2,32.9 -2.054,32.9 ccw(c-2.054,33.754) -1.45,33.15 -1.341,33.259 cw(c-1,32.917) -1,33.4 v1(-0.507,33.4) ; -2.146,48.946 -0.866,47.666 ; -1.201,45.299 ccw(c0.49,43.61) -1.9,43.61 -1.9,41.852 ccw(c0.64,41.852) -1.156,40.056 -1.144,40.044 cw(c-1.731,39.456) -0.9,39.456 cw(c-1.759,39.456) -1.151,38.849 ccw(c0.414,37.283) -1.8,37.283 cw(c-2.483,37.283) -2,36.8 cw(c-2.938,37.738) -2.938,36.412 -3.2,36.412 ; -1.2,45.3 -0.9,45.6 ccw(c-1.949,46.649) -0.466,46.649 -0.466,46.7 ccw(c-1.831,46.7) -0.7,47.465 ccw(c-1.831,46.7) -0.865,47.665 ; v1(1.693,29.5) 3.149,28.044 ccw(c4.945,29.84) 4.945,27.3 v1(8.493,27.3) ; v1(9.993,25.8) cw(c8.769,25.8) 9.634,24.934 ccw(c10.683,23.886) 9.2,23.886 9.2,18.704 ccw(c11.74,18.704) 9.944,16.908 MOD1.4@11.84,15.012
  Top Layer w0.25: SW4.1@-41.475,36.498 SW4.1@-34.543,37.473
  Bottom Layer w0.15: v1(-0.507,33.4) 1.7,31.193 v1@1.7,29.5 ; v1(8.493,27.3) v1(9.993,25.8)
BTN.1: C21.1 MOD1.5 R39.2 SW3.1 | length 94.4
  Top Layer w0.15: C21.1@-38.953,46.426 -38.609,46.082 cw(c-39.113,45.577) -38.4,45.577 -38.4,44.93 cw(c-39.023,44.93) SW3.1@-38.583,44.489 ; SW3.1@-38.389,44.489 -37.6,43.7 ; -37.6,43.7 ccw(c-36.876,44.424) -36.876,43.4 -33.852,43.4 ccw(c-33.852,45.94) -32.056,44.144 -30.695,45.505 ; -30.694,45.506 cw(c-29.5,44.31) -29.5,46 -8.266,46 ccw(c-8.266,47.366) -7.3,46.4 -4.366,49.334 cw(c-3,47.969) -3,49.9 cw(c-3,47.969) -1.634,49.334 -0.644,48.344 cw(c-2.44,46.548) -0.3,47.916 cw(c-2.44,46.548) 0.1,46.548 0.1,46.5 cw(c-1.831,46.5) -0.466,45.134 -0.8,44.8 ccw(c0.769,43.231) -1.45,43.231 -1.45,41.728 ccw(c0.428,41.728) -0.9,40.4 cw(c-1.866,39.434) -0.5,39.434 cw(c-1.549,39.434) -0.807,38.693 ccw(c0.624,37.262) -1.4,37.262 -1.4,36.683 cw(c-2.083,36.683) -1.6,36.2 ccw(c-1.003,35.603) -1.847,35.603 ccw(c-0.868,35.603) -1.833,35.439 ccw(c-0.868,35.603) -1.56,34.91 v1(-1.45,34.8) ccw(c-1.45,33.719) -2.214,34.483 R39.2@-2.599,34.099 ; v1(2.793,29.8) 3.949,28.644 ccw(c5.745,30.44) 5.745,27.9 v1(9.293,27.9) ; v1(10.693,26.5) 10.693,26.049 cw(c9.351,26.049) 10.3,25.1 ccw(c11.99,23.41) 9.6,23.41 9.6,19.752 ccw(c12.14,19.752) 10.344,17.956 12.02,16.28 ccw(c12.06,16.32) MOD1.5@12.06,16.263
  Top Layer w0.25: SW3.1@-45.556,45.099 SW3.1@-38.583,44.489 SW3.1@-38.389,44.489
  Bottom Layer w0.15: v1(-1.45,34.8) -1,34.8 0.2,33.6 0.2,33.117 2.8,30.517 v1@2.8,29.8 ; v1(9.293,27.9) v1(10.693,26.5)